# KiCad board keyboard.kicad_pcb (continued)
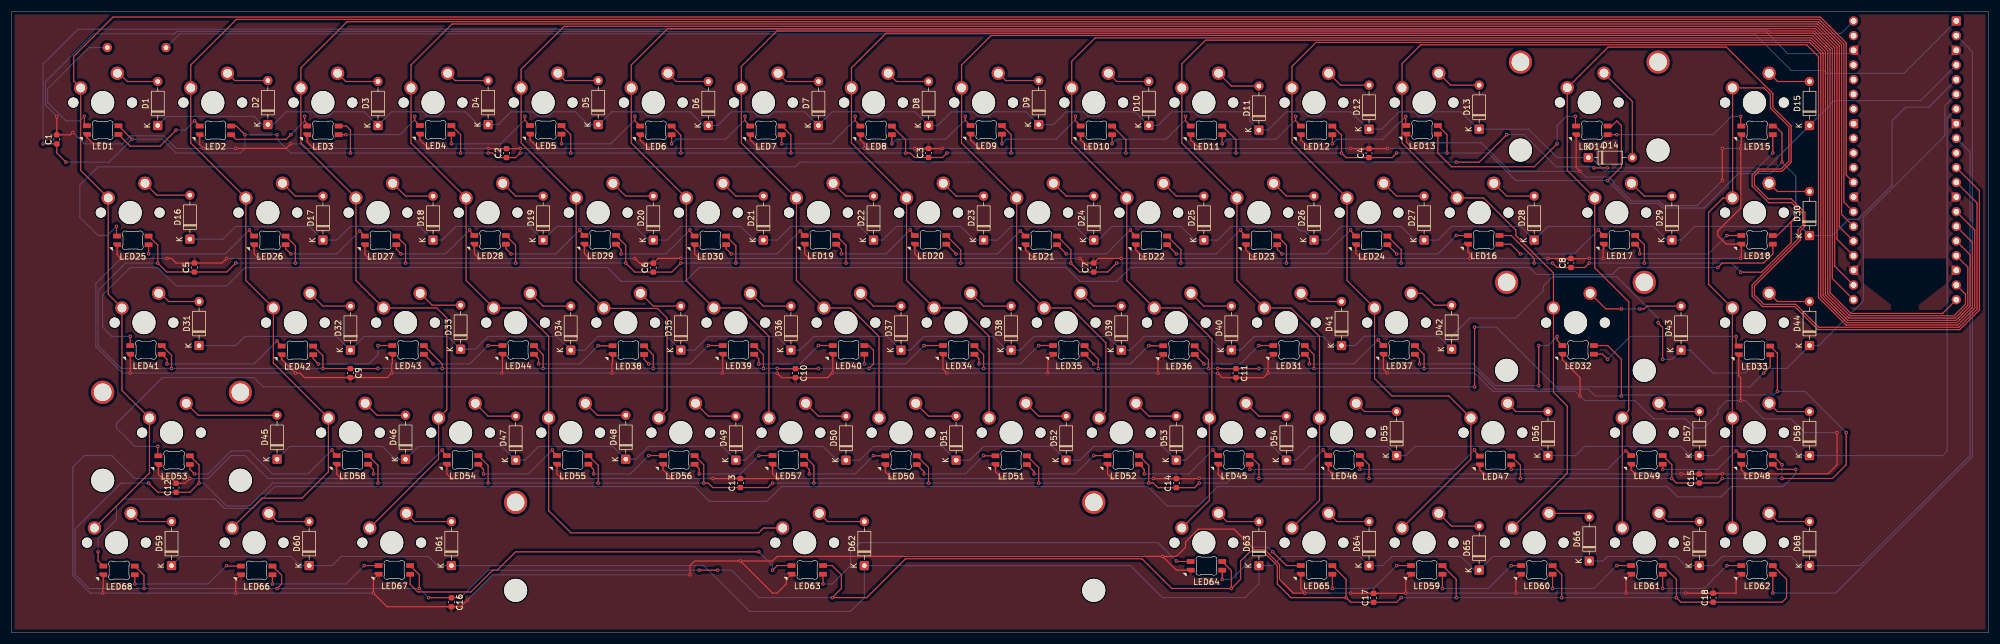
[diagram p0: board, top side]
## Routing (per net, layer and track width the routed paths; a pad name or vN(x,y) marks a point on that pad's centre or on a via; arc(x,y) is an arc through that point) (continued)
Net-(LED5-DOUT): length 18.7
  Top w0.2: LED5.2 v1(95.13,84.6) ; v1(107.83,89.36) 107.83,88.58 LED6.3
  Bottom w0.2: v1(107.83,89.36) 107.83,88.76 103.67,84.6 v1(95.13,84.6)
Net-(LED6-DOUT): length 18.7
  Top w0.2: v1(126.88,89.36) 126.88,88.58 LED7.3 ; LED6.2 v1(114.18,84.6)
  Bottom w0.2: v1(126.88,89.36) 126.88,88.76 123.51,85.39 114.98,85.39 v1(114.18,84.6)
Net-(LED7-DOUT): length 18.7
  Top w0.2: v1(145.93,89.36) 145.93,88.58 LED8.3 ; LED7.2 v1(133.23,84.6)
  Bottom w0.2: v1(145.93,89.36) 145.93,88.76 141.77,84.6 v1(133.23,84.6)
Net-(LED8-DOUT): length 18.6
  Top w0.2: LED8.2 v1(152.28,84.6) ; v1(164.98,89.36) 164.98,88.67 LED9.3
  Bottom w0.2: v1(164.98,89.36) 164.98,88.76 161.61,85.39 153.07,85.39 v1(152.28,84.6)
Net-(LED10-DIN): length 18.7
  Top w0.2: LED10.3 184.03,88.58 v1(184.03,89.36) ; LED9.2 v1(171.33,84.6)
  Bottom w0.2: v1(171.33,84.6) 172.12,85.39 180.66,85.39 184.03,88.76 v1(184.03,89.36)
Net-(LED10-DOUT): length 18.7
  Top w0.2: LED11.3 203.08,88.58 v1(203.08,89.36) ; LED10.2 v1(190.38,84.6)
  Bottom w0.2: v1(203.08,89.36) 203.08,88.76 199.71,85.39 191.17,85.39 v1(190.38,84.6)
Net-(LED11-DOUT): length 18.7
  Top w0.2: LED12.3 222.13,88.58 v1(222.13,89.36) ; v1(209.43,84.6) LED11.2
  Bottom w0.2: v1(209.43,84.6) 210.22,85.39 218.76,85.39 222.13,88.76 v1(222.13,89.36)
Net-(LED12-DOUT): length 17.9
  Top w0.2: LED12.2 v1(228.48,84.6) ; LED13.3 241.18,87.88 v1(241.18,89.36)
  Bottom w0.2: v1(228.48,84.6) 229.27,85.39 237.21,85.39 v1(241.18,89.36)
Net-(LED13-DOUT): length 35.3
  Top w0.2: v1(267.37,84.6) 263.4,80.63 249.11,80.63 246.73,83.01 LED13.2 ; LED14.3 270.54,87.79 v1(270.54,89.36)
  Bottom w0.2: v1(267.37,84.6) 267.37,87.77 268.95,89.36 v1(270.54,89.36)
Net-(LED14-DOUT): length 26.1
  Top w0.2: v1(299.12,89.36) 299.12,87.79 LED15.3 ; LED14.2 v1(277.69,86.18)
  Bottom w0.2: v1(299.12,89.36) 297.53,89.36 294.35,86.18 v1(277.69,86.18)
Net-(LED15-DOUT): length 318.7
  Top w0.2: LED25.3 18.15,68.74 v1(18.15,70.31) ; v1(249.91,81.42) 253.87,81.42 v1(258.64,86.18) ; v1(273.72,80.43) v1(276.05,80.43) ; 304.67,86.18 v1(304.67,83.01)
  Bottom w0.2: v1(258.64,86.18) 261.66,86.18 267.21,80.63 273.52,80.63 v1(273.72,80.43) ; v1(249.91,81.42) 136.41,81.42 135.61,80.63 14.97,80.63 11.8,77.45 11.8,71.9 14.97,68.72 16.56,68.72 v1(18.15,70.31) ; v1(276.05,80.43) 302.1,80.43 v1(304.67,83.01)
Net-(LED16-DIN): length 15.8
  Top w0.2: LED24.2 v1(239.59,65.55) ; v1(249.91,68.72) 251.71,68.72 251.83,68.61
  Bottom w0.2: v1(239.59,65.55) 246.73,65.55 v1(249.91,68.72)
Net-(LED16-DOUT): length 20.9
  Top w0.2: LED16.2 259.34,67.22 v1(261.02,65.55) ; v1(274.51,69.71) 274.51,69.62 LED17.3
  Bottom w0.2: v1(274.51,69.71) 270.35,65.55 v1(261.02,65.55)
Net-(LED17-DOUT): length 20.9
  Top w0.2: LED17.2 281.65,66.43 v1(281.65,65.55) ; v1(296.73,68.72) LED18.3
  Bottom w0.2: v1(281.65,65.55) 293.56,65.55 v1(296.73,68.72)
Net-(LED18-DOUT): length 313.7
  Top w0.2: v1(20.53,51.26) LED41.3 ; v1(295.15,63.17) 295.94,63.96 303.08,63.96 304.67,65.55 304.67,67.22
  Bottom w0.2: v1(295.15,63.17) 278.08,63.17 276.89,61.98 263.79,61.98 262.6,63.17 193.55,63.17 191.17,60.79 184.82,60.79 182.44,63.17 118.95,63.17 116.56,60.79 105.45,60.79 103.07,63.17 40.37,63.17 37.19,59.99 28.46,59.99 25.29,63.17 20.53,63.17 15.76,58.4 15.76,52.85 17.35,51.26 v1(20.53,51.26)
Net-(LED19-DIN): length 16.6
  Top w0.2: LED30.2 123.6,66.45 v1(124.5,65.55) ; v1(136.41,69.52) LED19.3
  Bottom w0.2: v1(136.41,69.52) 132.44,65.55 v1(124.5,65.55)
Net-(LED19-DOUT): length 17
  Top w0.2: v1(143.55,65.55) 143.55,66.32 LED19.2 ; LED20.3 155.46,69.52 v1(155.46,69.71)
  Bottom w0.2: v1(143.55,65.55) 151.29,65.55 v1(155.46,69.71)
Net-(LED20-DOUT): length 16.4
  Top w0.2: LED21.3 174.52,69.52 v1(174.5,69.52) ; LED20.2 163.37,65.55 v1(163.39,65.55)
  Bottom w0.2: v1(174.5,69.52) 170.54,65.55 v1(163.39,65.55)
Net-(LED21-DOUT): length 16.5
  Top w0.2: v1(193.55,69.71) 193.55,69.53 LED22.3 ; LED21.2 v1(182.44,65.55)
  Bottom w0.2: v1(182.44,65.55) 189.39,65.55 v1(193.55,69.71)
Net-(LED22-DOUT): length 16.5
  Top w0.2: LED23.3 212.6,69.53 v1(212.6,69.71) ; LED22.2 v1(201.49,65.55)
  Bottom w0.2: v1(201.49,65.55) 208.44,65.55 v1(212.6,69.71)
Net-(LED23-DOUT): length 17
  Top w0.2: v1(231.65,69.71) 231.65,69.53 LED24.3 ; LED23.2 218.95,66.34 v1(219.75,65.55)
  Bottom w0.2: v1(231.65,69.71) 227.49,65.55 v1(219.75,65.55)
Net-(LED25-DOUT): length 22.2
  Top w0.2: v1(41.16,69.71) 41.16,69.43 LED26.3 ; LED25.2 v1(23.7,65.55)
  Bottom w0.2: v1(23.7,65.55) 37,65.55 v1(41.16,69.71)
Net-(LED26-DOUT): length 16.8
  Top w0.2: v1(48.31,65.55) 47.41,66.45 LED26.2 ; v1(60.21,69.52) 60.23,69.52 LED27.3
  Bottom w0.2: v1(60.21,69.52) 56.24,65.55 v1(48.31,65.55)
Net-(LED27-DOUT): length 16.9
  Top w0.2: v1(79.26,69.71) 79.26,69.52 LED28.3 ; v1(67.35,65.55) 66.56,66.34 LED27.2
  Bottom w0.2: v1(67.35,65.55) 75.1,65.55 v1(79.26,69.71)
Net-(LED28-DOUT): length 17
  Top w0.2: v1(98.31,69.71) 98.31,69.52 LED29.3 ; LED28.2 85.5,66.45 v1(86.4,65.55)
  Bottom w0.2: v1(86.4,65.55) 94.15,65.55 v1(98.31,69.71)
Net-(LED29-DOUT): length 17.1
  Top w0.2: LED29.2 105.45,66.32 v1(105.45,65.55) ; v1(117.36,69.71) 117.36,69.43 LED30.3
  Bottom w0.2: v1(117.36,69.71) 113.2,65.55 v1(105.45,65.55)
Net-(LED31-DIN): length 15.6
  Top w0.2: v1(215.78,49.67) LED31.3 ; v1(206.25,46.5) 206.25,46.54 LED36.2
  Bottom w0.2: v1(206.25,46.5) 212.6,46.5 v1(215.78,49.67)
Net-(LED31-DOUT): length 17
  Top w0.2: LED31.2 224.51,47.38 v1(224.51,46.5) ; v1(236.41,50.7) 236.41,50.57 LED37.3
  Bottom w0.2: v1(236.41,50.7) 232.21,46.5 v1(224.51,46.5)
Net-(LED32-DIN): length 36.9
  Top w0.2: v1(243.56,46.5) 243.56,47.38 LED37.2 ; LED32.3 267.37,50.57 v1(267.37,51.26) ; v1(264.19,42.74) v1(264.19,49.67)
  Bottom w0.2: v1(264.19,42.74) 256.61,42.74 252.85,46.5 v1(243.56,46.5) ; v1(264.19,49.67) 265.78,49.67 v1(267.37,51.26)
Net-(LED32-DOUT): length 28.5
  Top w0.2: LED32.2 275.22,48.17 v1(276.1,47.29) ; LED33.3 298.32,50.04 v1(298.32,51.26)
  Bottom w0.2: v1(276.1,47.29) 280.07,51.26 v1(298.32,51.26)
Net-(LED33-DOUT): length 319
  Top w0.2: v1(253.08,52.85) v1(253.08,42.53) ; v1(25.29,32.21) 25.29,30.69 LED53.3 ; LED33.2 304.22,46.05 v1(303.08,44.91)
  Bottom w0.2: v1(25.29,32.21) 21.32,32.21 18.15,35.39 18.15,36.18 26.08,44.12 41.96,44.12 43.54,42.53 v1(253.08,42.53) ; v1(253.08,52.85) 256.82,52.85 267.13,42.54 274.5,42.54 274.51,42.53 300.7,42.53 v1(303.08,44.91)
Net-(LED34-DIN): length 16.6
  Top w0.2: LED40.2 v1(147.52,46.5) ; v1(157.84,49.67) LED34.3
  Bottom w0.2: v1(147.52,46.5) 154.66,46.5 v1(157.84,49.67)
Net-(LED34-DOUT): length 16
  Top w0.2: LED34.2 167.36,47.38 v1(167.36,46.5) ; 179.96,49.47 179.76,49.67 v1(177.68,49.67)
  Bottom w0.2: v1(177.68,49.67) 174.5,46.5 v1(167.36,46.5)
Net-(LED35-DOUT): length 15.6
  Top w0.2: 199.01,49.42 198.8,49.63 196.77,49.63 v1(196.73,49.67) ; LED35.2 187.2,46.59 v1(187.2,46.5)
  Bottom w0.2: v1(187.2,46.5) 193.55,46.5 v1(196.73,49.67)
Net-(LED38-DIN): length 16.1
  Top w0.2: v1(91.17,46.5) 91.17,47.38 LED44.2 ; v1(101.48,49.67) 101.53,49.63 LED38.3
  Bottom w0.2: v1(91.17,46.5) 98.31,46.5 v1(101.48,49.67)
Net-(LED38-DOUT): length 16
  Top w0.2: LED38.2 109.42,47.29 v1(110.21,46.5) ; 122.89,49.54 122.76,49.67 v1(120.53,49.67)
  Bottom w0.2: v1(120.53,49.67) 117.36,46.5 v1(110.21,46.5)
Net-(LED39-DOUT): length 16
  Top w0.2: v1(139.58,49.67) 141.76,49.67 141.91,49.52 ; v1(129.26,46.5) 129.26,47.38 LED39.2
  Bottom w0.2: v1(139.58,49.67) 136.41,46.5 v1(129.26,46.5)
Net-(LED41-DOUT): length 23.9
  Top w0.2: v1(26.88,46.5) 26.88,47.27 LED41.2 ; v1(45.92,50.47) 45.92,50.38 LED42.3
  Bottom w0.2: v1(26.88,46.5) 41.96,46.5 v1(45.92,50.47)
Net-(LED42-DOUT): length 17
  Top w0.2: v1(53.07,46.5) 52.17,47.4 LED42.2 ; v1(63.39,49.67) LED43.3
  Bottom w0.2: v1(63.39,49.67) 63.39,48.09 61.8,46.5 v1(53.07,46.5)
Net-(LED43-DOUT): length 15.7
  Top w0.2: v1(82.44,49.67) LED44.3 ; LED43.2 72.91,46.59 v1(72.91,46.5)
  Bottom w0.2: v1(82.44,49.67) 79.26,46.5 v1(72.91,46.5)
Net-(LED45-DIN): length 17
  Top w0.2: LED45.3 207.84,31.52 v1(207.84,31.61) ; v1(195.93,27.45) 195.93,28.23 LED52.2
  Bottom w0.2: v1(207.84,31.61) 203.68,27.45 v1(195.93,27.45)
Net-(LED45-DOUT): length 16.3
  Top w0.2: LED46.3 226.89,31.52 v1(226.89,31.61) ; LED45.2 v1(214.19,28.24)
  Bottom w0.2: v1(214.19,28.24) 223.52,28.24 v1(226.89,31.61)
Net-(LED46-DOUT): length 23.6
  Top w0.2: LED47.3 253.08,31.44 v1(253.08,31.61) ; LED46.2 v1(233.24,28.24)
  Bottom w0.2: v1(253.08,31.61) 249.71,28.24 v1(233.24,28.24)
Net-(LED49-DOUT):
  vias: v1(14.97,13.96) v1(285.62,28.24) v1(298.31,31.44) v1(308.64,28.24)
Net-(LED50-DIN): length 16.5
  Top w0.2: v1(149.11,30.62) 149.15,30.58 LED50.3 ; v1(137.99,27.45) 137.99,28.23 LED57.2
  Bottom w0.2: v1(137.99,27.45) 145.93,27.45 v1(149.11,30.62)
Net-(LED50-DOUT): length 15.8
  Top w0.2: v1(157.84,27.45) 157.84,27.84 156.59,29.08 ; LED51.3 168.2,30.58 v1(168.15,30.62)
  Bottom w0.2: v1(157.84,27.45) 164.98,27.45 v1(168.15,30.62)
Net-(LED51-DOUT): length 16.2
  Top w0.2: v1(176.89,27.45) 176.89,27.84 LED51.2 ; v1(187.2,30.62) LED52.3
  Bottom w0.2: v1(176.89,27.45) 184.03,27.45 v1(187.2,30.62)
Net-(LED53-DOUT): length 32.1
  Top w0.2: LED58.3 55.45,31.42 v1(55.45,31.61) ; v1(31.64,27.45) 30.84,28.24 LED53.2
  Bottom w0.2: v1(31.64,27.45) 34.02,27.45 37.99,31.42 41.16,31.42 45.13,27.45 51.29,27.45 v1(55.45,31.61)
Net-(LED54-DIN): length 17
  Top w0.2: v1(62.59,27.45) 62.59,28.23 LED58.2 ; v1(74.5,31.61) 74.5,31.42 LED54.3
  Bottom w0.2: v1(62.59,27.45) 70.34,27.45 v1(74.5,31.61)
Net-(LED54-DOUT): length 17
  Top w0.2: LED54.2 81.64,28.23 v1(81.64,27.45) ; v1(93.55,31.61) 93.55,31.42 LED55.3
  Bottom w0.2: v1(81.64,27.45) 89.38,27.45 v1(93.55,31.61)
Net-(LED55-DOUT): length 15.4
  Top w0.2: LED55.2 100.69,28.23 v1(100.69,27.45) ; v1(110.21,30.62) LED56.3
  Bottom w0.2: v1(100.69,27.45) 107.04,27.45 v1(110.21,30.62)
Net-(LED56-DOUT): length 39.2
  Top w0.2: v1(279.26,31.44) 279.36,31.44 280.17,30.62 ; 259.43,29.04 v1(259.43,28.24) ; v1(118.95,27.45) 118.95,28.33 LED56.2 ; LED57.3 v1(129.26,30.62)
  Bottom w0.2: v1(279.26,31.44) 279.26,31.43 279.27,31.42 276.1,28.24 v1(259.43,28.24) ; v1(118.95,27.45) 126.09,27.45 v1(129.26,30.62)
Net-(LED59-DIN): length 17.7
  Top w0.2: v1(239.59,11.58) LED59.3 ; LED65.2 v1(228.48,7.61)
  Bottom w0.2: v1(228.48,7.61) 235.62,7.61 v1(239.59,11.58)
Net-(LED59-DOUT): length 17.7
  Top w0.2: v1(259.43,11.58) LED60.3 ; LED59.2 v1(247.52,7.61)
  Bottom w0.2: v1(247.52,7.61) 255.46,7.61 v1(259.43,11.58)
Net-(LED60-DOUT): length 17.7
  Top w0.2: v1(277.69,11.58) LED61.3 ; LED60.2 v1(266.57,7.61)
  Bottom w0.2: v1(266.57,7.61) 273.72,7.61 v1(277.69,11.58)
Net-(LED61-DOUT): length 17.7
  Top w0.2: LED61.2 v1(285.62,7.61) ; v1(296.73,11.58) LED62.3
  Bottom w0.2: v1(285.62,7.61) 292.77,7.61 v1(296.73,11.58)
Net-(LED63-DIN): length 73.3
  Top w0.2: LED63.3 132.44,11.58 v1(131.64,10.78) ; LED67.2 68.94,8.35 70.28,7.01 79.45,7.01 83.23,10.78 84.02,10.78 87.2,13.96 v1(129.26,13.96)
  Bottom w0.2: v1(129.26,13.96) 131.64,11.58 v1(131.64,10.78)
Net-(LED63-DOUT): length 71
  Top w0.2: v1(201.49,12.37) 201.58,12.28 LED64.3 ; LED63.2 v1(140.38,8.4)
  Bottom w0.2: v1(140.38,8.4) 141.96,8.4 145.14,11.58 145.14,13.96 146.72,15.54 198.32,15.54 v1(201.49,12.37)
Net-(LED64-DOUT): length 19.7
  Top w0.2: LED65.3 220.54,11.58 v1(218.16,13.96) ; LED64.2 v1(209.43,9.19)
  Bottom w0.2: v1(209.43,9.19) 211.01,9.19 213.4,11.58 213.4,13.16 214.98,14.75 217.36,14.75 v1(218.16,13.96)
Net-(LED66-DIN): length 21.3
  Top w0.2: LED68.2 v1(21.32,8.4) ; LED66.3 37.28,11.49 v1(37.19,11.58)
  Bottom w0.2: v1(21.32,8.4) 34.02,8.4 v1(37.19,11.58)
Net-(LED66-DOUT): length 21.3
  Top w0.2: LED66.2 v1(45.13,8.4) ; v1(61.01,11.58) LED67.3
  Bottom w0.2: v1(45.13,8.4) 57.83,8.4 v1(61.01,11.58)

## Copper pours and planes (outline as drawn; the poured copper is in the pictures)
/GND on Top: -4.87,111.58 346.34,111.58 345.54,-1.32 -4.87,-2.15
/GND on Bottom: -0.75,109 345.15,108.74 345.15,-4.54 -1.67,-1.6 -2.49,107.61
